# Altium PCB WiCL.PcbDoc (part 2 of 2)
Units mm, origin at the board's own origin, x right, y up, seen from the top; angles counter-clockwise.
Board outline 88.6 x 53.6 mm, 4 copper layers (L1_Top, L2_GND, L3_PWR_GND, L4_Bot), stack 1.104 mm thick; 143 components, 94 nets, 506 pads, 447 vias.
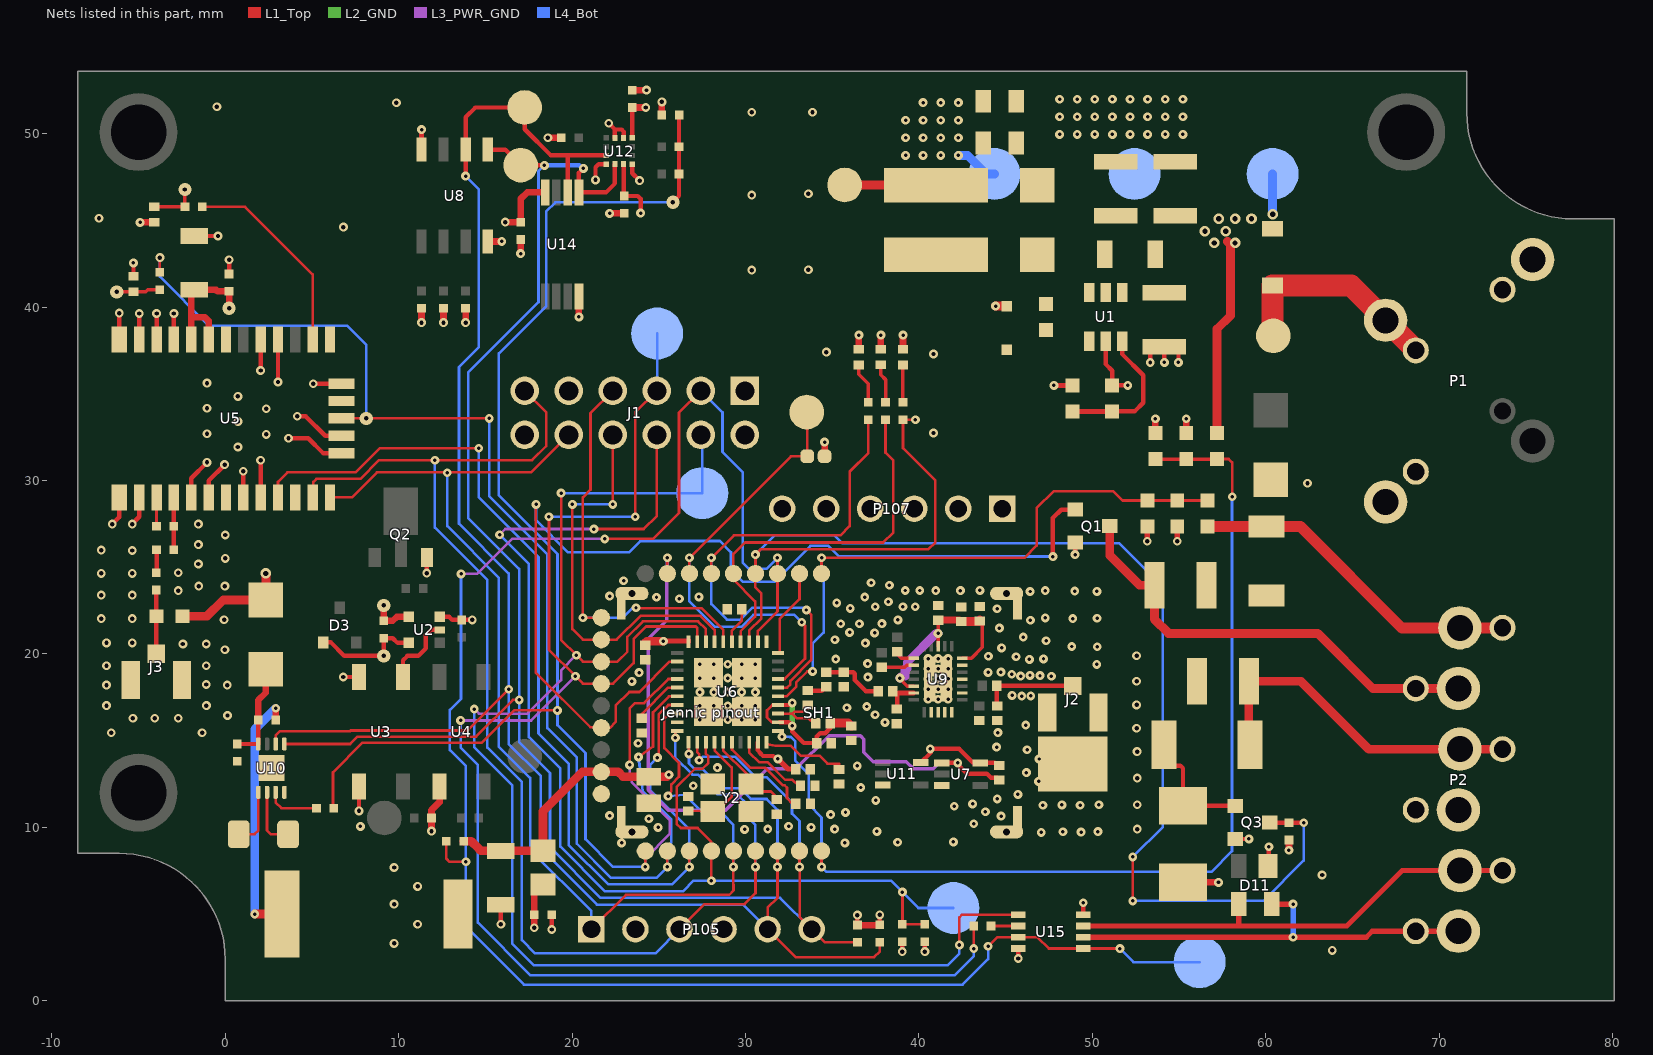
[diagram p4: the nets of this part, all layers, seen from the top]

## Via types
v1: diameter 0.51, hole 0.2, L1_Top to L4_Bot, 180 vias
v2: diameter 0.508, hole 0.203, L1_Top to L4_Bot, 127 vias
v3: diameter 0.508, hole 0.254, L1_Top to L4_Bot, 65 vias
v4: diameter 0.508/0.508/0.508/0.508 (per signal layer), hole 0.254, L1_Top to L4_Bot, tented both sides, 54 vias
v5: diameter 0.508/0.508/0.508/0.762 (per signal layer), hole 0.254, L1_Top to L4_Bot, tented top, 12 vias
v6: diameter 0.61, hole 0.305, L1_Top to L4_Bot, 9 vias

## Nets (pads, with @x,y where several pads share a name; then routed paths per layer and width w, separated by ;. In a path a pad name is that pad's centre, name@x,y a point inside that pad or via, vN(x,y) a via of type N, cw(c..) or ccw(c..) an arc to the next point about the centre after c; other vN are vias at no path point) (continued)
GND: "Jennic pinout.18" C1.2 C2.2 C4.2 C5.2 C6.2 C7.2 C8.2 C9.2 C10.1 C11.2 C12.2 C13.2 C14.1 C15.1 C16.2 C17.1 C18.1 C19.2 C20.2 C21.2 C22.1 C23.1 C24.2 C26.2 C27.2 C28.2 C29.2 C31.1 C32.1 C33.2 C34.2 C35.2 C36.1 C37.2 C38.2 C40.1 D2.2 D4.1 D5.1 D6.1 D7.1 D8.2 D10.1 D11.1 D13.2 J1.2 J1.9 J1.12 J2.2 J3.2 J4.2 L5.2 P1.4 P2.4 P105.2 P105.4 P107.3 P107.4 pad.1 pad.@66.924,28.775 pad.@71.115,11.011 pad.SHIELD Q1.2 Q2.1 Q3.2 R3.1 R4.1 R11.1 R22.1 R24.1 SH1.1 T2.2 TP10.1 U1.2 U2.3 U3.2 U3.3 U5.4 U5.5 U5.10 U5.11 U5.12 U5.13 U5.14 U5.15 U5.18 U5.19 U5.21 U5.22 U5.27 U5.28 U5.31 U6.21 U6.39 U6.41 U7.3 U8.4 U9.9 U9.10 U9.11 U9.12 U9.14 U9.16 U9.18 U9.25 U10.4 U10.9 U11.3 U12.1 U12.4 U12.8 U12.9 U14.4 U15.4 Y2.2 Y2.4 | length 68.8
  L1_Top w0.254: v4(-6.511,27.491) -6.109,27.893 U5.14@-6.109,29.037 ; U5.13@-6.109,38.137 v4(-6.109,39.662) ; v4(-5.368,27.491) -5.368,27.501 -4.959,27.91 U5.15@-4.959,29.037 ; D4.1@-5.292,41.784 v2(-5.292,42.553) ; U5.12@-4.959,38.137 v4(-4.959,39.634) ; U5.11@-3.959,38.137 v4(-3.959,39.634) ; U5.10@-2.959,38.137 v4(-2.959,39.634) ; U5.18@-1.959,29.037 -1.959,30.138 v4(-1.05,31.047) ; C5.2@-1.786,44.103 v4(-0.415,44.103) ; U5.19@-0.959,29.037 -0.959,29.995 v4(-0.034,30.92) ; C6.2@0.22,41.91 v4(0.22,42.731) ; U5.21@1.041,29.037 v4(1.041,30.539) ; U5.22@2.041,29.037 v4(2.041,31.174) ; v4(2.041,36.348) U5.5@2.041,38.137 ; v4(3.041,35.687) U5.4@3.041,38.137 ; v4(3.649,32.444) 4.787,32.444 5.644,31.587 U5.27@6.716,31.587 ; v4(4.157,33.714) 4.633,33.714 5.76,32.587 U5.28@6.716,32.587 ; v4(5.078,35.587) U5.31@6.716,35.587 ; v4(6.807,18.67) U3.2@7.714,18.67 ; v4(7.714,10.948) U3.3@7.714,12.37 ; v4(11.626,24.667) Q2.1@11.626,25.563 ; U2.3@12.373,22.138 12.925,22.138 13.099,21.964 R11.1@13.632,21.964 v4(14.242,21.964) ; v4(15.895,4.412) C8.2@15.895,5.539 ; v4(18.825,4.11) C7.2@18.825,4.969 ; v4(21.353,47.341) 21.353,48.065 21.53,48.243 U12.1@21.975,48.243 ; v4(22.115,50.605) 22.475,50.246 ; U12.9@22.475,49.755 22.475,50.246 ; U12.8@22.975,49.755 22.975,50.127 22.856,50.246 22.475,50.246 ; U12.4@23.475,48.243 23.475,47.722 23.893,47.303 v4(23.897,47.303) ; v4(39.05,2.837) C9.2@39.05,3.406 ; v2(49.012,25.733) Q1.2@49.012,26.425 ; U15.4@49.484,4.963 v2(49.484,5.655) ; U1.2@50.77,38.037 50.77,36.723 51.151,36.342 R3.1@51.151,35.488 v2(52.053,35.488) ; v2(53.348,36.811) C21.2@53.348,37.722 ; v2(54.161,36.813) C21.2@54.161,37.725 ; v2(54.974,36.815) C21.2@54.974,37.727 ; Q3.2@58.238,9.332 v2(59.035,9.332) ; D11.1@60.15,7.775 60.187,7.812 v2(60.187,8.885)
  L1_Top w0.305: v4(53.179,26.503) C12.2@53.179,27.353 ; v4(54.906,26.503) R24.1@54.906,27.353
  L1_Top w0.381: v2(-4.911,44.89) D5.1@-4.091,44.89 ; U8.4@15.13,43.79 v2(15.95,43.79) ; v2(17.035,43.088) C37.2@17.035,43.908 ; v2(20.398,39.436) U14.4@20.398,40.62 ; v2(22.169,45.408) 22.172,45.411 C34.2@23.004,45.411 ; C35.2@23.475,52.518 v2(24.295,52.518) ; J4.2@34.566,31.403 v2(34.566,32.223) ; D7.1@36.541,37.571 v2(36.541,38.391) ; D6.1@37.812,37.573 v2(37.812,38.393) ; D10.1@39.088,37.57 v2(39.088,38.39) ; C11.2@53.643,32.742 v2(53.643,33.562) ; D13.2@55.237,6.827 57.28,6.827 v2(57.283,6.824) ; R22.1@55.421,32.742 v2(55.421,33.562)
  other v1: 22.86,9.109 35.737,9.109 38.778,9.142 41.995,9.159 47.064,9.712 48.312,9.745 49.36,9.729 37.58,9.771 50.332,9.754 29.956,9.879 31.284,9.9 35.138,9.9 24.962,9.997 33.785,9.997 32.486,10.064 43.168,10.206 24.429,10.495 44.744,10.65 22.165,10.675 34.916,10.734 35.77,10.86 43.839,10.902 42.046,11.22 47.156,11.279 48.254,11.295 49.301,11.279 50.382,11.304 43.101,11.354 37.518,11.554 44.526,11.639 45.715,11.899 36.654,12.301 26.99,12.401 46.905,12.653 46.201,13.155 28.381,13.448 36.445,13.545 46.938,13.943 46.243,14.479 44.484,14.63 23.811,14.848 44.559,15.468 46.168,15.895 38.049,16.054 27.376,16.205 28.176,16.205 28.976,16.205 29.776,16.205 30.576,16.205 37.475,16.498 35.854,16.9 36.999,16.971 27.376,17.005 28.176,17.005 28.976,17.005 29.776,17.005 30.576,17.005 40.539,17.386 41.112,17.386 41.685,17.386 45.933,17.57 46.453,17.579 45.38,17.612 27.376,17.805 28.176,17.805 28.976,17.805 29.776,17.805 30.576,17.805 40.539,17.973 41.112,17.973 41.685,17.973 23.455,18.417 40.539,18.559 41.112,18.559 41.685,18.559 27.376,18.605 28.176,18.605 28.976,18.605 29.776,18.605 30.576,18.605 37.061,18.668 47.642,18.718 45.866,18.727 46.411,18.76 46.989,18.752 45.355,18.836 23.865,18.928 43.998,18.94 44.735,18.957 40.539,19.146 41.112,19.146 41.685,19.146 50.257,19.397 27.376,19.405 28.176,19.405 28.976,19.405 29.776,19.405 30.576,19.405 37.044,19.447 35.209,19.707 46.377,19.69 40.539,19.733 41.112,19.733 41.685,19.733 47.19,19.715 45.606,19.841 44.015,19.866 44.777,20.352 50.29,20.415 48.816,20.432 36.918,20.628 47.341,20.763 35.159,20.821 46.025,20.972 37.446,21.215 36.005,21.24 44.643,21.492 35.494,21.743 36.575,21.743 37.873,21.751 46.436,21.944 38.795,21.969 48.875,22.04 50.282,22.065 47.29,22.078 44.518,22.605 36.047,22.631 37.488,22.723 39.08,22.723 39.792,22.723 35.268,22.949 38.242,23.016 26.194,23.184 24.871,23.268 27.317,23.289 36.885,23.284 22.164,23.335 46.419,23.603 50.274,23.607 48.992,23.624 39.214,23.661 40.052,23.661 40.974,23.653 42.398,23.653 43.521,23.669 47.29,23.653 38.301,23.963 37.245,24.105 22.977,24.223
  other v2: 7.794,10.059 48.116,49.962 49.132,49.962 50.148,49.962 51.164,49.962 52.18,49.962 53.196,49.962 54.212,49.962 55.228,49.962 48.116,50.978 49.132,50.978 50.148,50.978 51.164,50.978 52.18,50.978 53.196,50.978 54.212,50.978 55.228,50.978 48.116,51.994 49.132,51.994 50.148,51.994 51.164,51.994 52.18,51.994 53.196,51.994 54.212,51.994 55.228,51.994
  other v3: 63.839,2.906 9.737,3.311 11.092,4.412 9.737,5.577 11.092,6.595 63.255,7.251 9.737,7.689 52.597,9.9 52.597,11.311 52.597,12.842 52.586,14.371 -6.57,15.46 -1.337,15.46 52.562,15.718 -5.325,16.298 -4.061,16.298 -2.709,16.298 0.13,16.45 -6.849,17.022 -1.089,17.022 52.562,17.065 -6.849,18.204 0.111,18.204 -1.101,18.24 52.562,18.433 -6.849,19.32 -1.101,19.32 52.562,19.899 -0.023,20.244 -2.442,20.575 -1.101,20.575 -6.849,20.638 -5.368,20.638 -0.067,21.978 -7.154,22.038 -5.368,22.038 -7.154,23.395 -5.368,23.395 -2.709,23.654 -1.528,23.918 -0.023,23.918 -7.154,24.646 -5.368,24.646 -2.709,24.689 -1.547,25.188 -0.004,25.51 -5.368,25.967 -7.154,25.994 -1.547,26.305 0.006,26.864 -1.547,27.491 62.417,29.852 40.844,32.742 40.844,37.3 34.671,37.407 30.362,42.141 33.631,42.163 6.816,44.619 -7.281,45.127 30.362,46.465 33.631,46.541 30.362,51.24 33.867,51.24 -0.48,51.558 9.874,51.786
  other v4: 0.728,31.936 2.367,32.666 -1.05,32.698 0.728,33.408 2.367,34.138 -1.05,34.17 0.728,34.857 -1.05,35.619
GPS_3DFIX: R15.2 U5.2 | length 11.7
  L1_Top w0.152: R15.2@-1.325,45.79 1.141,45.79 5.041,41.89 U5.2@5.041,38.137
GPS_DR_INT: U5.1
GPS_EINT1: U5.7
GPS_GPIO1: U5.20
GPS_GPIO2: U5.24
GPS_RESETN: "Jennic pinout.21" U5.23 U6.37 | length 58.8
  L1_Top w0.15: U5.23@3.041,29.037 3.044,29.04 3.044,29.924 3.59,30.471 7.525,30.471 8.922,31.868 v2(14.615,31.868) ; v1(24.925,14.027) 24.998,14.112 24.998,16.503 25.553,17.059 U6.37@26.07,17.059 ; v2(26.767,7.724) 26.767,8.634
  L4_Bot w0.15: v2(14.615,31.868) 14.615,29.048 18.068,25.594 18.068,15.413 19.81,13.672 19.81,8.994 22.092,6.711 25.754,6.711 26.767,7.724 26.767,9.88 24.496,12.151 24.496,13.609 24.939,14.052 v1(24.925,14.027)
GPS_TIMEMARK: "Jennic pinout.20" R14.2 U5.29 U6.36 | length 74
  L1_Top w0.15: v5(8.137,33.587) v2(15.224,33.587) ; v1(23.832,14.059) 24.668,14.66 24.668,16.635 25.592,17.559 U6.36@26.07,17.559 ; v2(25.498,7.723) 25.498,8.634
  L1_Top w0.152: R14.2@-3.768,42.012 v4(-3.768,42.858) ; U5.29@6.716,33.587 v5(8.137,33.587)
  L4_Bot w0.15: v2(15.224,33.587) 15.224,29.098 18.578,25.743 18.578,15.723 20.278,14.023 20.278,9.056 22.245,7.089 24.864,7.089 v2(25.498,7.723) 25.498,8.895 25.723,9.12 25.723,10.443 24.077,12.089 v1(23.832,14.059)
  L4_Bot w0.152: v4(-3.768,42.858) -3.768,41.766 -0.923,38.921 7.044,38.921 8.137,37.829 v5(8.137,33.587)
GPS_WAKEUP: U5.30
I2C_JENIC_SCLK: "Jennic pinout.25" P105.5 R38.1 TP3.1 U6.1 U8.6 U10.6 U12.12 U14.6 | length 110.6
  L1_Top w0.15: U10.6@2.909,14.811 2.909,15.31 3.152,15.553 7.205,15.553 7.241,15.588 13.973,15.588 v2(16.349,17.964) ; U6.1@26.72,14.909 26.72,14.263 v1(26.743,14.24) ; 31.848,8.634 v2(31.848,7.723) 31.852,7.719 31.852,5.94 31.278,5.367 P105.5@31.278,4.129 32.894,2.513 37.426,2.513 37.75,2.837 R38.1@37.75,3.376
  L1_Top w0.254: v2(13.86,47.557) U8.6@13.86,49.09 13.86,50.951 14.426,51.518 TP3.1@17.27,51.518 17.27,50.269 18.784,48.755 19.748,48.755 ; U14.6@19.748,46.62 19.748,48.755 ; U12.12@21.975,48.755 19.748,48.755
  L4_Bot w0.15: v2(13.86,47.557) 14.614,46.803 14.614,37.685 13.479,36.55 13.479,27.517 16.349,24.646 v2(16.349,17.964) 16.349,14.806 18.198,12.956 18.198,8.776 21.436,5.539 29.868,5.539 P105.5@31.278,4.129 ; v1(26.743,14.24) 26.743,13.683 27.062,13.365 27.527,13.365 28.636,12.255 29.694,12.255 30.31,11.639 31.222,11.639 31.848,11.013 v2(31.848,7.723)
I2C_JENIC_SDA: "Jennic pinout.26" P105.6 R37.1 TP4.1 U6.2 U8.5 U10.5 U12.2 U14.5 | length 104.8
  L1_Top w0.15: U10.5@3.409,14.811 7.203,14.811 7.626,15.234 14.471,15.234 16.588,17.351 v2(16.951,17.351) ; U6.2@27.22,14.909 27.22,14.341 27.332,14.229 v1(27.332,13.87) ; 33.118,8.634 v2(33.118,7.723) 33.122,7.719 33.122,4.826 P105.6@33.818,4.129 34.58,3.367 R37.1@36.459,3.367
  L1_Top w0.254: U8.5@15.13,49.09 16.146,49.09 17.057,48.18 v2(18.407,48.18) ; v2(20.658,48.005) 20.398,47.745 U14.5@20.398,46.62 21.957,46.62 22.475,47.137 U12.2@22.475,48.255
  L4_Bot w0.15: v2(18.407,48.18) 18.068,47.841 18.068,40.291 14.013,36.236 14.013,27.837 16.951,24.9 v2(16.951,17.351) 16.951,14.913 18.729,13.135 18.729,8.856 21.644,5.94 32.007,5.94 P105.6@33.818,4.129 ; v1(27.332,13.87) 27.53,14.068 29.42,14.068 30.592,12.897 31.212,12.897 32.684,11.424 32.684,10.794 33.118,10.36 v2(33.118,7.723)
  L4_Bot w0.254: v2(18.407,48.18) 20.415,48.18 v2@20.589,48.005
IBIAS: R4.2 U6.10 | length 5.1
  L1_Top w0.15: U6.10@31.22,14.909 31.22,14.809 31.712,14.717 32.6,14.717 33.18,14.137 34.276,14.137 34.732,13.681 35.382,13.681 35.397,13.666 R4.2@35.397,13.335
IRQ_I2C_DEV_L: "Jennic pinout.19" R28.2 R39.1 R40.2 R41.2 U6.34 | length 87.8
  L1_Top w0.15: R28.2@6.215,11.105 6.215,13.17 7.928,14.883 14.794,14.883 16.66,16.749 v2(19.161,16.749) ; v1(23.319,13.604) 23.319,16.853 23.634,17.169 24.161,17.169 25.551,18.559 U6.34@26.07,18.559 ; v2(24.228,7.723) 24.228,8.634
  L1_Top w0.254: v5(25.818,46.048) 25.81,46.056 26.171,46.416 R40.2@26.171,47.684 R41.2@26.171,49.255 26.171,51.074 R39.1@26.18,51.083
  L3_PWR_GND w0.15: v1(23.319,13.604) 23.319,13.052 23.442,12.929 23.442,12.616 25.63,10.428 25.63,9.618 24.228,8.216 v2(24.228,7.723)
  L4_Bot w0.15: v2(24.228,7.723) 22.376,7.723 20.777,9.322 20.777,14.284 19.161,15.9 v2(19.161,16.749) 19.161,25.768 15.782,29.146 15.782,37.329 18.507,40.053 18.507,45.506 19.048,46.048 v5(25.818,46.048)
ISRC_IOUT: U2.2 U3.1 | length 4.3
  L1_Top w0.254: U3.1@10.254,18.67 10.254,19.636 10.508,19.889 11.135,19.889 11.575,20.329 11.575,21.091 11.872,21.388 U2.2@12.373,21.388
ISRC_REXT: R7.2 U2.4 | length 2.4
  L1_Top w0.381: v5(9.137,22.802) R7.2@9.137,21.913 9.662,21.913 9.887,22.138 U2.4@10.573,22.138
ISRC_VS: D3.1 R7.1 U2.5 | length 6.4
  L1_Top w0.254: D3.1@5.647,20.667 6.093,20.667 6.871,19.889 v5(9.137,19.889) R7.1@9.137,20.913 9.662,20.913 9.937,20.638 U2.5@10.573,20.638
JENIC_ADC1: "Jennic pinout.1" C12.1 R23.2 R24.2 U6.15 | length 35.9
  L1_Top w0.15: U6.15@31.87,17.559 32.382,17.559 32.926,18.104 32.926,18.356 33.565,18.995 v1(33.872,18.995) ; 34.388,24.634 v2(34.388,25.545) 46.088,25.545 46.799,26.255 46.799,28.408 47.786,29.395 51.204,29.395 51.746,28.853 C12.1@53.179,28.853 R23.2@56.659,28.853
  L4_Bot w0.15: v1(33.872,18.995) 33.872,20.6 34.505,21.233 34.505,24.516 34.388,24.634 v2(34.388,25.545)
JENIC_ADC4: "Jennic pinout.27" C11.1 R20.1 R22.2 U6.11 | length 61.3
  L1_Top w0.15: U6.11@31.87,15.559 31.97,15.559 32.109,15.42 v1(32.109,15.227) ; v2(34.388,7.723) 34.388,8.634 ; R20.1@57.199,31.242 57.871,31.242 58.073,31.04 v2(58.073,29.067)
  L1_Top w0.203: C11.1@53.643,31.242 R22.2@55.421,31.242 R20.1@57.199,31.242
  L4_Bot w0.15: v1(32.109,15.227) 32.509,15.227 32.51,15.228 32.52,15.228 32.533,15.215 32.55,15.215 32.552,15.213 32.619,15.213 32.878,14.955 32.878,13.832 33.654,13.056 33.654,11.306 34.388,10.572 v2(34.388,7.723) 34.671,7.44 56.865,7.44 58.059,8.634 58.059,29.053 v2(58.073,29.067)
JENIC_BLUE_LED: "Jennic pinout.5" R18.2 U6.24 | length 22.3
  L1_Top w0.15: 29.308,24.634 29.308,24.284 30.56,23.031 30.56,22.151 29.72,21.311 U6.24@29.72,20.709
  L1_Top w0.152: 29.308,24.634 29.308,25.765 29.975,26.432 37.944,26.432 38.531,27.02 38.531,31.162 38.08,31.613 R18.2@38.08,33.51
JENIC_BLUE_LED_R: D6.2 R18.1 | length 2.3
  L1_Top w0.203: D6.2@37.812,36.673 37.812,36.094 38.08,35.826 R18.1@38.08,34.51
JENIC_GREEN_LED_R: D10.2 R1.1 | length 2.2
  L1_Top w0.203: R1.1@39.086,34.509 39.086,36.667 D10.2@39.088,36.67
JENIC_JMPR: "Jennic pinout.7" J4.1 TP5.1 U6.17 | length 26.9
  L1_Top w0.15: 26.768,24.634 v2(26.768,25.545) 32.626,31.403 J4.1@33.566,31.403 TP5.1@33.566,33.92 ; U6.17@31.87,18.559 32.267,18.559 33.437,19.729 33.437,21.641 v1(33.249,21.828)
  L4_Bot w0.15: v2(26.768,25.545) 26.768,23.038 28.241,21.564 29.766,21.564 30.456,22.254 32.824,22.254 v1(33.249,21.828)
JENIC_PROG: "Jennic pinout.3" J1.3 R19.1 TP11.1 U6.22 U15.1 U15.7 | length 109.3
  L1_Top w0.15: U6.22@30.72,20.709 30.72,21.326 31.848,22.454 31.848,24.634 v2(31.848,25.545)
  L1_Top w0.152: R19.1@12.751,9.202 12.751,8.191 12.925,8.017 v2(13.877,8.017) ; v2(21.882,26.636) 24.679,26.636 26.171,28.128 26.171,33.92 J1.3@27.43,35.179 ; v2(43.997,3.141) 44.519,3.663 U15.7@45.734,3.663 46.848,3.663 47.498,3.013 U15.1@49.484,3.013 v2(51.596,3.013)
  L3_PWR_GND w0.152: v2(13.599,24.618) 14.527,24.618 16.544,26.636 v2(21.882,26.636)
  L4_Bot w0.152: v2(13.599,24.618) 13.599,17.417 12.958,16.776 12.958,14.465 13.877,13.546 v2(13.877,8.017) 13.877,4.284 17.23,0.931 42.529,0.931 43.997,2.399 v2(43.997,3.141) ; J1.3@27.43,35.179 28.677,33.931 28.677,31.648 29.854,30.471 29.854,25.26 30.206,24.908 31.212,24.908 v2(31.848,25.545) ; v2(51.596,3.013) 52.379,2.229 TP11.1@56.194,2.229
JENIC_RED_LED: "Jennic pinout.6" R17.2 U6.16 | length 30.8
  L1_Top w0.15: 28.038,24.634 v2(28.038,25.545) ; U6.16@31.87,18.059 32.403,18.059 32.589,18.245 32.589,18.449 33.787,19.647 33.787,22.27 v1(33.52,22.537)
  L1_Top w0.152: v2(28.038,25.545) 29.332,26.839 35.473,26.839 36.012,27.378 36.012,30.51 37.091,31.589 R17.2@37.091,33.509
  L4_Bot w0.15: v2(28.038,25.545) 28.038,22.881 28.937,21.981 29.723,21.981 30.415,22.673 33.384,22.673 v1(33.52,22.537)
JENIC_RED_LED_R: D7.2 R17.1 | length 2.4
  L1_Top w0.203: D7.2@36.541,36.671 36.541,36.128 37.091,35.578 R17.1@37.091,34.509
JENIC_RST: "Jennic pinout.22" C9.1 J1.6 R16.1 TP14.1 U6.3 | length 71.9
  L1_Top w0.15: v2(21.264,27.205) 24.131,27.205 24.89,27.965 J1.6@24.89,32.639 ; U6.3@27.72,14.909 27.72,14.242 27.856,14.106 27.856,13.716 27.522,13.382 27.086,13.382 26.033,12.329 26.033,10.208 26.278,9.963 27.241,9.963 28.038,9.166 28.038,8.634 v2(28.038,6.925) ; C9.1@39.05,4.406 C9.1@39.057,4.413 ; v2(39.057,6.269) C9.1@39.057,4.413 ; R16.1@40.347,4.413 C9.1@39.057,4.413
  L3_PWR_GND w0.15: v2(15.82,26.877) 16.148,27.205 v2(21.264,27.205)
  L4_Bot w0.15: v2(15.82,26.877) 17.51,25.188 17.51,15.215 19.325,13.399 19.325,8.883 21.882,6.327 26.417,6.327 27.015,6.925 v2(28.038,6.925) 38.401,6.925 v2(39.057,6.269) 39.976,5.35 TP14.1@41.995,5.35
JTAG_TCK: "Jennic pinout.10" J1.7 U6.26 | length 24.3
  L1_Top w0.15: 21.688,22.094 v2(20.629,22.094) 20.629,29.03 20.625,29.033 21.066,29.474 21.066,33.894 J1.7@22.35,35.179 ; v1(23.689,22.664) 23.71,22.643 27.476,22.643 28.72,21.4 U6.26@28.72,20.709
  L4_Bot w0.15: v2@20.777,22.094 22.934,22.094 23.603,22.763 v1(23.689,22.664)
JTAG_TDI: "Jennic pinout.13" J1.5 R21.1 TP13.1 U6.29 | length 88
  L1_Top w0.15: v2(18.669,27.91) 18.669,20.244 v2(20.194,18.718) 20.629,18.284 21.688,18.284 22.36,18.284 23.553,19.476 23.553,20.869 24.267,21.583 27.136,21.583 27.22,21.499 U6.29@27.22,20.709 ; v2(23.644,27.91) 23.644,33.933 J1.5@24.89,35.179 ; v2(43.168,3.013) 43.168,4.378 R21.1@43.179,4.389
  L3_PWR_GND w0.15: v2(13.573,16.166) 17.642,16.166 v2(20.194,18.718)
  L4_Bot w0.15: v2(13.573,16.166) 13.573,14.594 14.563,13.603 14.563,4.505 17.604,1.464 42.061,1.464 43.168,2.571 v2(43.168,3.013) ; v2(18.669,27.91) v2(23.644,27.91) ; J1.5@24.89,35.179 24.908,35.197 TP13.1@24.908,38.483
JTAG_TDO: "Jennic pinout.12" J1.4 TP12.1 U6.28 U15.5 | length 85.5
  L1_Top w0.15: v2(19.369,29.277) 19.369,20.814 v2(20.253,19.93) 20.629,19.554 22.61,19.554 23.184,20.128 23.184,20.978 24.091,21.885 27.264,21.885 27.72,21.428 U6.28@27.72,20.709 ; v2(42.339,3.217) 42.339,4.803 42.499,4.963 U15.5@45.734,4.963
  L3_PWR_GND w0.15: v2(14.36,16.82) 14.365,16.82 14.627,16.559 17.433,16.559 19.369,18.494 19.369,19.058 20.241,19.93 v2(20.253,19.93)
  L4_Bot w0.15: v2(14.36,16.82) 14.36,14.625 16.544,12.441 16.544,3.311 17.807,2.048 41.653,2.048 42.339,2.734 v2(42.339,3.217) ; v2(19.369,29.277) TP12.1@27.513,29.277 27.513,32.556 J1.4@27.43,32.639
JTAG_TMS: "Jennic pinout.11" J1.8 U6.27 | length 23.6
  L1_Top w0.15: v2(20.018,28.626) 20.018,21.434 20.629,20.824 21.688,20.824 22.574,20.824 23.953,22.203 27.413,22.203 28.22,21.396 U6.27@28.22,20.709 ; v2(22.35,28.626) J1.8@22.35,32.639
  L4_Bot w0.15: v2(20.018,28.626) v2(22.35,28.626)
LED_GPS_3DFIX: D5.2 R15.1 | length 2.8
  L1_Top w0.203: D5.2@-4.091,45.79 R15.1@-2.325,45.79 v5(-2.325,46.79)
LED_GPS_TIMEMARK: D4.2 R14.1 | length 2.5
  L1_Top w0.203: v5(-6.256,40.884) D4.2@-5.292,40.884 -4.598,40.884 -4.47,41.012 R14.1@-3.768,41.012
LNA_BYPASS: "Jennic pinout.8" R5.1 U7.1 | length 39.9
  L1_Top w0.15: 25.498,24.634 v2(25.498,25.545)
  L1_Top w0.25: U7.1@41.412,13.722 v1(42.242,13.722) 42.242,13.629 42.774,13.097 43.923,13.097 44.162,12.858 44.504,12.858 R5.1@44.634,12.728
  L3_PWR_GND w0.2: v2(25.498,25.545) 25.498,24.634 25.465,24.602 25.465,21.952 24.385,20.872 24.385,12.157 25.541,11.001 28.876,11.001 31.256,13.381 32.914,13.381 34.823,15.291 36.635,15.291 36.835,15.091 36.835,14.336 37.375,13.795 39.268,13.795 39.691,13.372 40.823,13.372 41.172,13.722 v1(42.242,13.722)
NetC3_1: C3.1 D9.1 U1.1
NetC3_2: C3.2 D2.1 L1.1 U1.6
NetC19_1: C19.1 R27.2 | length 14.6
  L1_Top w0.381: R27.2@2.909,16.192 v2(2.909,16.87)
  L1_Top w0.508: v2(1.697,5.004) C19.1@3.274,5.004
  L4_Bot w0.508: v2(1.697,5.004) 1.697,15.659 v2(2.909,16.87)
NetC21_1: C21.1 R29.1 U1.4
NetC30_2: C30.2 L5.1 U9.6 | length 2.3
  L1_Top w0.2: C30.2@38.494,17.855 C30.2@38.598,17.751
  L1_Top w0.262: C30.2@38.494,17.855 38.578,17.855 38.763,17.669 ; L5.1@38.737,16.82 38.763,16.846 38.763,17.669 ; U9.6@39.708,17.751 38.844,17.751 38.763,17.669
NetC33_1: C33.1 U6.4 Y2.1 | length 6.4
  L1_Top w0.15: C33.1@26.7,10.948 26.714,10.961 Y2.1@28.118,10.911 28.404,10.961 29.206,11.763 29.206,13.456 28.22,14.442 U6.4@28.22,14.909
NetC38_1: C38.1 U6.5 Y2.3 | length 5
  L1_Top w0.15: U6.5@28.72,14.909 28.72,14.445 30.066,13.099 30.066,12.814 Y2.3@30.318,12.511 30.808,12.072 31.473,12.072 31.813,11.732 C38.1@31.813,11.601
NetC39_1: C39.1 R33.2 | length 1.3
  L1_Top w0.262: C39.1@-3.971,24.689 -3.963,24.689 R33.2@-3.963,26.01
NetC39_2: C39.2 J3.1 L7.2 | length 3.7
  L1_Top w0.262: J3.1@-3.971,20.016 L7.2@-3.971,22.174 C39.2@-3.971,23.689
NetD13_1: D13.1 Q3.1 R32.1 | length 6.9
  L1_Top w0.254: R32.1@54.14,14.772 54.14,14.162 54.738,13.564 55.088,13.564 55.237,13.415 D13.1@55.237,11.247 Q3.1@57.979,11.247
NetR2_1: R2.1 R3.2 U1.3 | length 8.3
  L1_Top w0.254: R3.2@51.151,33.988 52.445,33.988 52.942,34.486 52.942,36.078 51.72,37.3 U1.3@51.72,38.037
  L1_Top w0.305: R2.1@48.866,33.988 R3.2@51.151,33.988
NetR6_2: R6.2 U9.1 | length 1.2
  L1_Top w0.2: R6.2@38.761,20.134 38.776,20.119 38.776,19.951 38.976,19.751 U9.1@39.708,19.751
NetR12_2: R12.2 U9.2 | length 1.9
  L1_Top w0.2: R12.2@37.873,19.229 39.188,19.229 39.309,19.351 U9.2@39.708,19.351
NetR21_2: R21.2 U15.6 | length 1.6
  L1_Top w0.15: R21.2@44.163,4.313 U15.6@45.734,4.313
RF_ANT: R31.1 U5.16 | length 1.7
  L1_Top w0.178: R31.1@-3.963,27.364 -3.963,29.033 U5.16@-3.959,29.037
RF_IN: R31.2 R33.1 U5.17 | length 3
  L1_Top w0.178: R31.2@-2.963,27.364 R31.2@-2.959,27.368
  L1_Top w0.262: R33.1@-2.963,26.01 R31.2@-2.963,27.364 ; R31.2@-2.959,27.368 U5.17@-2.959,29.037
RF_IO: C25.2 L3.2 U6.13 | length 3.6
  L1_Top w0.15: U6.13@31.87,16.559 32.695,16.559 ; C25.2@33.604,17.052 33.601,17.049 33.601,16.9 33.372,16.671 32.82,16.671 32.708,16.559 32.695,16.559 ; L3.2@34.05,16.015 33.92,16.015 33.649,16.286 32.968,16.286 32.695,16.559
RF_PORT: C26.1 C30.1 L4.2 | length 3.7
  L1_Top w0.262: L4.2@34.671,18.951 C26.1@35.664,18.951 36.225,18.951 36.306,18.87 36.306,18.5 36.95,17.855 C30.1@37.656,17.855
RF_PORT_L: C25.1 L4.1 | length 1.2
  L1_Top w0.262: C25.1@33.604,17.89 34.414,17.89 L4.1@34.671,18.113
RTC_INT: R28.1 U10.3 | length 3
  L1_Top w0.152: U10.3@2.909,12.021 2.909,11.439 3.243,11.105 R28.1@5.215,11.105
RTC_OSC0: U10.2 Y1.1 | length 3.5
  L1_Top w0.152: U10.2@2.409,12.021 2.409,9.821 2.624,9.606 Y1.1@3.626,9.606
RTC_OSC1: U10.1 Y1.2 | length 3.4
  L1_Top w0.152: Y1.2@0.776,9.606 1.693,9.606 1.909,9.821 U10.1@1.909,12.021
RTC_VDD: C20.1 D12.1 R27.1 U10.8 | length 5.7
  L1_Top w0.152: C20.1@0.687,14.805 C20.1@0.693,14.811
  L1_Top w0.254: C20.1@0.693,14.811 U10.8@1.909,14.811 R27.1@1.909,16.192
  L1_Top w0.381: R27.1@1.909,16.192 1.909,17.339 2.335,17.766 2.335,19.106 D12.1@2.343,19.114
SPICLK: "Jennic pinout.2" U6.20 | length 5.2
  L1_Top w0.15: U6.20@31.87,20.059 31.97,20.059 31.97,22.018 33.118,23.166 33.118,24.634
TB_RXD0_BUFF: D11.4 P2.6 pad.@71.115,4.011 U15.2 | length 24.9
  L1_Top w0.305: U15.2@49.484,3.663 v2(61.587,3.663) 65.803,3.663 66.151,4.011 pad.@71.115,4.011 ; D11.4@60.35,5.575 v2(61.587,5.575)
  L4_Bot w0.305: v2(61.587,3.663) v2(61.587,5.575)
TB_TXD0_BUFF: D11.3 P2.5 pad.@71.205,7.511 U15.3 | length 26.8
  L1_Top w0.305: U15.3@49.484,4.313 58.45,4.313 ; D11.3@58.45,5.575 58.45,4.313 ; P2.5@73.66,7.511 pad.@71.205,7.511 67.879,7.511 64.681,4.313 58.45,4.313
UART_JENIC_RXD1: "Jennic pinout.24" J1.11 P105.3 U5.25 U6.40 | length 77
  L1_Top w0.15: U5.25@5.041,29.037 5.079,29.075 5.079,29.924 5.254,30.099 7.787,30.099 8.862,31.174 v2(12.093,31.174) 17.701,31.174 18.507,31.98 18.507,33.942 J1.11@17.27,35.179 ; v1(25.964,15.17) 25.964,15.553 25.97,15.559 U6.40@26.07,15.559 ; P105.3@26.198,4.129 27.646,5.577 29.955,5.577 30.582,6.203 30.582,7.719 v2(30.578,7.723) 30.578,8.634
  L4_Bot w0.15: v2(12.093,31.174) 12.093,27.286 15.115,24.264 15.115,14.601 17.103,12.613 17.103,3.496 17.865,2.734 24.803,2.734 P105.3@26.198,4.129 ; v1(25.964,15.17) 25.964,14.01 26.938,13.036 27.261,13.036 28.386,11.91 29.507,11.91 30.107,11.311 30.107,10.599 30.578,10.127 v2(30.578,7.723)
UART_JENIC_TXD1: "Jennic pinout.23" J1.10 P105.1 U5.26 U6.38 | length 69.3
  L1_Top w0.15: U5.26@6.041,29.037 7.313,29.037 8.747,30.471 17.642,30.471 J1.10@19.81,32.639 ; P105.1@21.118,4.129 23.102,6.112 29.067,6.112 29.312,6.358 29.312,6.708 29.308,6.711 v2(29.308,7.723) 29.308,8.634 ; v1(25.541,11.806) 25.723,12.083 25.723,12.48 26.171,12.928 26.171,13.726 25.322,14.575 25.322,16.282 25.599,16.559 U6.38@26.07,16.559
  L4_Bot w0.15: v2(12.807,30.455) 12.807,27.371 15.782,24.395 15.782,14.649 17.586,12.846 17.586,8.708 21.118,5.176 P105.1@21.118,4.129 ; v1(25.541,11.806) 26.497,11.887 27.596,10.788 28.668,10.788 29.308,10.148 v2(29.308,7.723)
UFL_ANT: C32.2 J2.1 L6.1 | length 5.7
  L1_Top w0.262: C32.2@44.535,17.005 44.493,17.046 L6.1@44.493,18.165 48.874,18.165 J2.1@48.899,18.274
USER_DI: "Jennic pinout.4" Q3.3 R1.2 R30.1 U6.23 | length 83.7
  L1_Top w0.15: U6.23@30.22,20.709 30.22,21.35 30.919,22.049 30.919,23.496 30.578,23.837 30.578,24.634
  L1_Top w0.152: 30.578,24.634 v2(30.578,25.736) 30.872,26.03 40.543,26.03 40.95,26.438 40.95,30.003 39.086,31.868 R1.2@39.086,33.509 v2(39.8,33.51) ; v2(52.333,5.759) v2(52.333,8.297)
  L1_Top w0.254: Q3.3@60.238,10.282 60.249,10.271 R30.1@61.345,10.271 v2(62.195,10.271)
  L4_Bot w0.152: v2(30.578,25.736) 31.681,26.839 35.147,26.839 35.604,26.382 51.564,26.382 54.071,23.874 54.071,10.035 v2(52.333,8.297) ; v2(52.333,5.759) 59.876,5.759 62.195,8.078 v2(62.195,10.271)
USER_DO: "Jennic pinout.15" Q1.1 U6.32 | length 59.5
  L1_Top w0.15: v2(17.923,28.626) 17.916,28.62 17.916,18.914 21.051,15.779 21.652,15.779 21.688,15.744 22.176,15.744 22.515,16.082 22.515,17.022 23.301,17.809 23.88,17.809 25.63,19.559 U6.32@26.07,19.559
  L1_Top w0.254: v2(47.733,25.62) 47.733,27.84 47.73,27.843 48.212,28.325 Q1.1@49.012,28.325
  L4_Bot w0.15: v2(17.923,28.626) 17.923,27.718 19.775,25.866 23.297,25.866 23.945,26.513 28.521,26.513 29.168,25.866 29.168,24.84 29.851,24.157 31.677,24.157 33.755,26.235 34.782,26.235 35.397,25.62 v2(47.733,25.62)
USER_OD_DO: C36.2 P2.2 pad.@71.115,18.011 Q1.3 | length 26.1
  L1_Top w0.508: Q1.3@51.012,27.375 51.012,25.684 52.733,23.963 C36.2@53.583,23.963 53.583,22.012 54.407,21.188 62.997,21.188 66.174,18.011 P2.2@68.66,18.011 pad.@71.115,18.011
USER_OG_DI: C40.2 P2.3 pad.@71.205,14.511 R32.2 | length 19.9
  L1_Top w0.508: R32.2@59.09,14.772 59.032,14.831 C40.2@59.032,18.43 62.034,18.43 65.953,14.511 pad.@71.205,14.511 P2.3@73.66,14.511
V3P3: C2.1 C5.1 C6.1 C7.1 C13.1 C34.1 C35.1 C37.1 D9.2 D12.2 J1.1 L1.2 L2.2 L7.1 P107.5 P107.6 R2.2 R8.2 R13.1 R16.2 R25.1 R26.1 R30.2 R36.2 R37.2 R38.2 R39.2 TP2.1 TP9.1 U4.1 U5.8 U5.9 U8.8 U12.3 U12.7 U14.8 U15.8 | length 49.2
  L1_Top w0.254: U12.3@22.975,48.255 22.975,46.44 C34.1@23.004,46.411 23.791,46.411 23.953,46.249 v2(23.953,45.425) ; U12.7@23.475,49.768 C35.1@23.475,51.518 ; R37.2@36.459,4.367 v4(36.459,4.943) ; R38.2@37.75,4.376 v4(37.75,4.952) ; v4(40.347,2.837) R16.2@40.347,3.413 ; v4(45.734,2.437) U15.8@45.734,3.013
  L1_Top w0.305: U8.8@11.32,49.09 v2(11.32,50.246) ; v2(47.79,35.488) R2.2@48.866,35.488
  L1_Top w0.381: U5.9@-1.959,38.137 -1.959,39.429 ; U5.8@-0.959,38.137 -0.959,39.211 -1.177,39.429 -1.959,39.429 ; v5(0.22,39.937) C6.1@0.22,40.91 -0.44,40.91 -0.533,41.003 C5.1@-1.786,41.003 -1.959,40.831 -1.959,39.429 ; v4(11.32,39.112) R13.1@11.32,39.936 ; v4(11.897,9.788) R8.2@11.897,10.542 11.897,10.993 12.362,11.459 U4.1@12.362,12.37 ; v4(12.59,39.112) R25.1@12.59,39.936 ; v4(13.86,39.112) R26.1@13.86,39.936 ; v4(16.148,44.908) C37.1@17.035,44.908 17.035,46.239 17.416,46.62 U14.8@18.448,46.62 ; v4(17.825,4.212) C7.1@17.825,4.969 17.825,6.256 18.277,6.708 L2.2@18.325,6.708 ; v4(18.61,49.767) R36.2@19.38,49.767 ; C35.1@23.475,51.518 v4(24.251,51.518) ; R39.2@25.18,51.083 v4(25.18,51.84) ; R37.2@36.459,4.367 37.741,4.367 R38.2@37.75,4.376 ; v2(61.345,8.683) R30.2@61.345,9.271
  L1_Top w0.508: L7.1@-2.471,22.174 -1.06,22.174 -0.12,23.114 0.813,23.114 D12.2@2.343,23.114 v6(2.343,24.645) ; TP2.1@35.721,47.049 40.967,47.049 L1.2@40.991,47.025 ; v2(44.43,40.061) 45.056,40.061 D9.2@45.065,40.052
  L4_Bot w0.508: v2(42.281,48.751) 42.814,48.751 43.881,47.684 TP9.1@44.357,47.684
  other v2: 39.233,48.751 40.249,48.751 41.265,48.751 39.233,49.767 40.249,49.767 41.265,49.767 42.281,49.767 39.233,50.783 40.249,50.783 41.265,50.783 42.281,50.783 40.249,51.799 41.265,51.799 42.281,51.799
V24P0: C1.1 C4.1 D1.1 P107.1 P107.2 R20.2 R29.2 TP8.1 U1.5 | length 13.8
  L1_Top w0.508: R20.2@57.199,32.742 57.199,38.741 57.972,39.513 57.972,43.613 57.803,43.782
  L4_Bot w0.508: v6(60.404,45.355) TP8.1@60.404,47.684
  other v6: 57.037,43.708 58.236,43.708 56.498,44.384 57.707,44.384 57.294,45.1 58.236,45.1 59.186,45.1
V24P0_IN: D1.2 P1.1 P1.2 pad.@66.924,39.246 pad.@75.396,42.746 TP1.1 | length 12.7
  L1_Top w1.27: TP1.1@60.448,38.345 60.404,38.389 D1.2@60.404,41.258 64.913,41.258 pad.@66.924,39.246 P1.2@68.66,37.511
VB_DIG: C15.2 U6.35 | length 2.9
  L1_Top w0.15: C15.2@24.021,16.288 24.021,16.551 25.529,18.059 U6.35@26.07,18.059
VB_RAM: C22.2 U6.25 | length 2.1
  L1_Top w0.15: U6.25@29.22,20.709 29.22,21.351 29.37,21.501 ; 29.371,21.501 29.789,21.919 C22.2@29.789,22.568
VB_RF: C23.2 C24.1 L3.1 U6.12 U6.14 | length 10
  L1_Top w0.15: U6.12@31.97,16.059 U6.12@31.87,16.059 31.527,16.059 31.242,16.343 31.242,16.749 31.552,17.059 31.87,17.059 U6.14@31.97,17.059 ; L3.1@34.889,16.015 L3.1@35.019,16.015
  L1_Top w0.25: U6.12@31.97,16.059 32.493,16.059 v1(32.704,15.848) 32.704,15.529 33.369,14.864 C23.2@34.113,14.864 34.113,15.24 34.307,15.434 34.598,15.434 34.889,15.724 L3.1@34.889,16.015 ; U6.14@31.97,17.059 32.577,17.059 v1(32.696,17.178)
  L1_Top w0.5: L3.1@35.019,16.015 35.939,16.015 36.11,15.845 C24.1@36.114,15.845
  L2_GND w0.305: v1@32.696,15.859 v1(32.696,17.178)
VB_SYNTH: C10.2 U6.6 | length 5.8
  L1_Top w0.15: U6.6@29.22,14.909 29.22,14.491 30.271,13.44 31.142,13.44 32.153,12.428 32.267,12.428 32.399,12.296 32.399,11.684 32.727,11.356 C10.2@32.909,11.356
VB_VCO: C14.2 U6.8 | length 4.3
  L1_Top w0.15: U6.8@30.22,14.909 30.22,14.328 30.8,13.747 31.292,13.747 32.296,12.743 32.71,12.743 33.049,12.404 C14.2@33.18,12.404
VDD: "Jennic pinout.17" C8.1 C16.1 C17.2 C18.2 C27.1 C28.1 C29.1 L2.1 R5.2 R19.2 U6.9 U6.30 U7.5 U9.5 U9.19 U9.22 U11.5 | length 39.6
  L1_Top w0.2: v1(38.912,18.614) 38.879,18.614 39.342,18.151 U9.5@39.708,18.151 ; U9.22@41.108,20.451 v1(41.108,21.189) 41.108,21.936 C28.1@41.124,21.952 ; U9.19@42.508,19.751 43.036,19.751 43.663,20.377 43.663,21.605 C29.1@43.52,21.902
  L1_Top w0.25: U6.9@30.72,14.909 30.72,14.46 30.86,14.271 31.018,14.114 31.601,14.114 v1@31.768,13.947 ; U11.5@40.113,13.738 40.697,14.322 v1(40.663,14.529) 42.322,14.529 43.13,13.722 U7.5@43.533,13.722 44.378,13.722 R5.2@44.634,13.566
  L1_Top w0.3: v1(25.273,20.737) 25.277,20.741 26.652,20.741 26.72,20.809 U6.30@26.72,20.709 ; v1@31.768,13.947 v1(31.876,13.947) 32.457,13.366 32.772,13.359 C17.2@32.902,13.359
  L1_Top w0.4: C28.1@41.124,21.952 42.339,21.952 42.439,21.852 C27.1@42.439,21.869
  L1_Top w0.5: R19.2@13.751,9.202 14.189,9.202 14.615,8.776 ; L2.1@18.325,8.653 18.325,10.923 20.607,13.204 21.688,13.204 22.659,13.204 22.934,12.929 v1@25.485,12.929 ; C18.2@24.225,20.51 24.225,20.641 24.325,20.741 25.269,20.741 v1(25.273,20.737) ; C16.1@24.429,12.925 24.78,12.929 v1@25.485,12.929 ; v1(25.591,13.035) v1@25.485,12.929 ; C27.1@42.439,21.869 43.462,21.869 43.518,21.925 43.518,21.969 C29.1@43.52,21.902
  L1_Top w0.508: 14.615,8.776 14.739,8.653 15.882,8.653 C8.1@15.895,8.639 ; C8.1@15.909,8.653 L2.1@18.325,8.653
  L3_PWR_GND w0.5: v1(38.912,18.614) 39.009,18.71 39.199,18.71 39.199,19.154 39.341,19.154 39.341,19.532 40.998,21.189 v1(41.108,21.189)
ZG_ANA_IO: D8.1 P2.1 pad.@71.205,21.511 R23.1 | length 19.4
  L1_Top w0.635: R23.1@56.659,27.353 56.659,27.347 D8.1@60.047,27.347 62.016,27.347 67.852,21.511 pad.@71.205,21.511 P2.1@73.66,21.511
pads on no net: "Jennic pinout.9" D3.2 D11.2 U2.1 U5.3 U5.6 U6.7 U8.7 U9.3 U9.4 U9.7 U9.8 U9.13 U9.17 U10.7 U12.11 U14.1 U14.2 U14.3 U14.7

## Polygon pours and split planes (outlines as drawn)
GND on L1_Top "GND_L01_P083" (solid, remove dead copper, pour order 83): 63.255,12.632 72.25,12.632 72.805,12.076 72.805,9.973 72.348,9.516 63.56,9.516 63.255,9.211 63.255,0 0,0 0,2.388 ccw(c-6.112,2.388) -6.112,8.5 -8.5,8.5 -8.5,53.6 63.255,53.6 63.255,32.427 69.783,32.427 69.783,26.178 64.169,26.178 63.255,25.264
V24P0 on L1_Top "V24P0_L01_P041" (solid, remove dead copper, pour order 41): 59.186,42.761 56.889,42.761 55.125,44.525 51.625,44.525 51.216,44.116 51.216,39.743 51.164,39.691 50.52,39.691 50.451,39.76 50.451,41.869 49.132,43.188 49.132,44.86 50.356,46.084 60.187,46.084 61.254,45.017 61.254,43.751 61.047,43.544 59.97,43.544
GND on L1_Top "GND_L01_P072" (solid, remove dead copper, pour order 72): 24.067,14.509 24.029,14.525 23.987,14.54 23.945,14.552 23.901,14.56 23.857,14.564 23.813,14.564 23.769,14.561 23.727,14.554 23.714,14.551 23.701,14.55 23.688,14.551 23.675,14.552 23.662,14.554 23.65,14.558 23.638,14.562 23.626,14.568 23.614,14.575 23.604,14.582 23.594,14.591 23.585,14.6 23.576,14.61 23.569,14.621 23.562,14.632 23.557,14.644 23.553,14.656 23.549,14.669 23.547,14.682 23.546,14.695 23.546,14.7 23.546,15.767 24.44,15.767 24.44,14.777 24.067,14.509
V3P3 on L1_Top "V3P3_L01_P035" (solid, remove dead copper, pour order 35): 44.293,53.407 44.293,45.734 44.039,45.48 38.052,45.48 37.767,45.765 37.767,49.771 41.402,53.406
NetC3_2 on L1_Top "NETC3_2_L01_P039" (solid, remove dead copper, pour order 39): 50.275,41.534 48.81,42.999 48.81,44.632 48.696,44.746 38.285,44.746 37.844,44.305 37.844,41.26 38.142,40.961 45.529,40.961 46.799,39.691 50.203,39.691 50.275,39.763
NetC3_1 on L1_Top "NETC3_1_L01_P043" (solid, remove dead copper, pour order 43): 50.266,39.183 46.198,39.183 45.563,38.548 44.052,38.548 43.925,38.421 43.925,36.964 44.203,36.686 50.012,36.686 50.266,36.94
NetC21_1 on L1_Top "NETC21_1_L01_P045" (solid, remove dead copper, pour order 45): 51.492,43.941 51.492,39.998 51.799,39.691 56.143,39.691 56.358,39.906 56.358,42.287 56.244,42.401 54.704,43.941
GND on L3_PWR_GND "GND_L03_P080" (solid, remove dead copper, pour order 80): 36.512,31.588 38.227,33.302 47.621,33.302 48.803,34.484 48.803,40.468 43.615,45.656 43.615,53.6 60.969,53.6 61.223,53.346 61.223,27.294 37.149,27.294 36.512,27.931
V3P3 on L3_PWR_GND "V3P3_L03_P079" (solid, remove dead copper, pour order 79): 43.011,45.301 48.166,40.147 48.166,34.798 47.3,33.933 37.714,33.933 35.623,31.842 35.623,27.586 36.586,26.623 61.845,26.623 61.845,3.663 60.695,2.513 8.073,2.513 7.045,3.54 7.045,16.14 11.129,16.14 12.666,17.677 12.666,27.264 10.456,29.474 5.378,29.474 4.759,28.854 4.759,22.094 0.693,22.094 0.435,22.352 0.435,38.413 -8.5,38.413 -8.5,53.6 -8.49,53.61 43.011,53.61
GND on L3_PWR_GND "GND_L03_P078" (solid, remove dead copper, pour order 78): 21.688,24.634 21.688,8.634 51.688,8.634 51.688,24.634
GND on L3_PWR_GND "GND_L03_P077" (solid, remove dead copper, pour order 77): -8.5,29.955 -0.067,29.955 -0.067,21.978 0.32,21.591 4.759,21.591 4.759,2.388 6.341,0.806 6.341,0.601 -3.852,0.601 -8.5,5.249
DALI_P on L3_PWR_GND "DALI_P_L03_P076" (solid, remove dead copper, pour order 76): 10.185,28.947 12.093,27.039 12.093,17.931 10.855,16.692 5.944,16.692 5.174,17.462 5.174,28.486 5.635,28.947
VDD on L3_PWR_GND "VDD_L03_P058" (solid, remove dead copper, pour order 58): 529 vertices, not listed, extent 24.638,12.242 41,21.039
GND on L2_GND "GND_L02_P082" (solid, remove dead copper, pour order 82): 63.839,12.632 72.25,12.632 72.805,12.076 72.805,9.973 72.348,9.516 64.144,9.516 63.839,9.211 63.839,0 0,0 0,2.388 ccw(c-6.112,2.388) -6.112,8.5 -8.5,8.5 -8.5,53.6 63.839,53.6 63.839,32.478 69.783,32.478 69.783,26.153 64.29,26.153 63.839,25.702
no net on L2_GND "NONET_L02_P081" (solid, pour order 81): 21.688,24.634 21.688,8.634 51.688,8.634 51.688,24.634
GND on L2_GND "GND_L02_P060" (solid, remove dead copper, pour order 60): 21.688,24.634 21.688,8.634 51.688,8.634 51.688,24.634
V24P0_IN on L4_Bot "NONET_L-01_P-001" (solid, pour order 85): 65.92,44.184 75.942,44.184 77.002,43.124 77.002,42.13 74.055,39.183 71.664,39.183 69.153,36.672 66.025,36.672 65.397,37.3 65.397,43.661
V24P0 on L4_Bot "V24P0_L04_P075" (solid, remove dead copper, pour order 75): 62.997,33.611 62.997,45.279 62.572,45.703 57.294,45.703 56.121,44.53 56.121,35.682 51.808,31.369 42.138,31.369 41.124,30.355 41.124,26.898 56.284,26.898
GND on L4_Bot "GND_L04_P084" (solid, remove dead copper, pour order 84): 63.839,12.632 72.25,12.632 72.805,12.076 72.805,9.973 72.348,9.516 64.144,9.516 63.839,9.211 63.839,0 0,0 0,2.388 ccw(c-6.112,2.388) -6.112,8.5 -8.5,8.5 -8.5,53.6 63.839,53.6 63.839,32.427 69.732,32.427 69.783,32.478 69.783,26.153 64.58,26.153 63.839,25.387

## Keep-outs
L1_Top:
  lines w0.254: -8.5,8.5 -5.984,8.5 cw(c-5.96,2.54) 0,2.563 0,0 80.1,0 80.1,45.1 77.584,45.1 cw(c77.56,51.06) 71.6,51.037 71.6,53.6 -8.5,53.6 -8.5,8.5
L3_PWR_GND:
  lines w0.254: -8.5,8.5 -8.5,53.6 71.6,53.6 71.6,51.037 ccw(c77.56,51.06) 77.584,45.1 80.1,45.1 80.1,0 0,0 0,2.563 ccw(c-5.96,2.54) -5.984,8.5 -8.5,8.5
L2_GND:
  lines w0.254: -8.5,8.5 -5.984,8.5 cw(c-5.96,2.54) 0,2.563 0,0 80.1,0 80.1,45.1 77.584,45.1 cw(c77.56,51.06) 71.6,51.037 71.6,53.6 -8.5,53.6 -8.5,8.5
L4_Bot:
  lines w0.254: -8.5,8.5 -5.984,8.5 cw(c-5.96,2.54) 0,2.563 0,0 80.1,0 80.1,45.1 77.584,45.1 cw(c77.56,51.06) 71.6,51.037 71.6,53.6 -8.5,53.6 -8.5,8.5

## Other copper
L1_Top:
  pour cut-out: -1.024,41.791 -1.024,41.655 -2.548,41.655 -2.548,41.791
  pour cut-out: 17.558,7.555 17.558,7.823 19.085,7.823 19.085,7.555
  pour cut-out: 15.133,7.851 15.133,7.989 16.66,7.989 16.66,7.851
  pour cut-out: -8.167,37.155 -8.167,29.955 -7.988,29.955 -7.988,37.155
  pour cut-out: 62.007,46.34 62.007,34.736 60.655,33.384 44.763,33.384 43.813,34.334 43.813,40.481 43.417,40.877 38.231,40.877 37.829,41.279 37.829,49.821 41.543,53.534 55.736,53.534 56.498,52.772 56.498,46.34 63.255,46.34 63.255,47.453 57.641,47.453 57.641,53.675 56.821,54.495 41.723,54.495 37.244,50.016 37.244,40.581 37.88,39.945 42.71,39.945 42.863,39.792 42.863,33.549 44.172,32.241 61.022,32.241 63.255,34.474 63.255,46.34
  pour cut-out: -7.991,37.143 -7.979,37.155 -2.019,37.155 -2.019,29.955 -7.988,29.955
L3_PWR_GND:
  pour cut-out: 25.739,24.807 51.855,24.807 51.855,8.472 21.515,8.472 21.515,24.79 25.733,24.79 25.733,25.107 21.264,25.107 21.264,8.297 52.017,8.297 52.017,25.107 25.74,25.107
L2_GND:
  pour cut-out: -8.5,29.955 -2.019,29.955 -2.019,37.143 -8.5,37.143
L4_Bot:
  pour cut-out: -8.5,29.955 -2.019,29.955 -2.019,37.143 -8.5,37.143

## Silkscreen, mask and mechanical layers (free items; w line width, h text height)
Top_SS:
  drawing of 12 lines, arcs and shapes, not listed
Bot_SS:
  drawing of 34 lines, arcs and shapes, not listed
  text "WiCL" at 12.058,37.761 h2.03
  text "Rev1.0" at 12.058,36.339 h2.03
Dimensions:
  circle w0.254: c-5,12 r1.6
  circle w0.254: c-5,50.1 r1.6
  circle w0.254: c68.1,50.1 r1.6
  circle w0.254: c-5,12 r1.6
  circle w0.254: c-5,50.1 r1.6
  circle w0.254: c-5,12 r1.6
  circle w0.254: c68.1,50.1 r1.6
  circle w0.254: c-5,50.1 r1.6
ENCLOSURE:
  lines w0.013: -8.5,8.5 -8.5,8.1 -8.9,8.1 ; -8.5,53.6 -8.9,53.6 ; -0.4,-0.8 -0.4,0 ; 0,0 0,-0.4 -0.4,-0.4 ; 53.5,43.1 80.5,43.1 80.5,33.6 75.5,33.6 75.5,32.6 80.5,32.6 80.5,22.55 75.5,22.55 75.5,21.6 80.5,21.6 80.5,12.1 75.5,12.1 75.5,11.1 80.5,11.1 80.5,-0.4 78.5,-0.4 78.5,1.6 77.5,1.6 77.5,-0.4 66.5,-0.4 66.5,1.6 65.5,1.6 65.5,-0.4 51.8,-0.4 51.8,1.1 50.8,1.1 50.8,-0.4 10.8,-0.4 10.8,1.1 9.8,1.1 9.8,-0.4 -0.4,-0.4 ; 53.5,44.1 80.5,44.1 80.5,45.5 ; 54.719,46.123 54.719,47.123 ; 71.6,53.6 71.6,54 72,54 ; 80.1,45.1 80.1,45.5 80.5,45.5 ; -8.9,8.1 -6.2,8.1 ; -8.9,8.1 -8.9,26.3 -7.4,26.3 -7.4,27.3 -8.9,27.3 -8.9,54 ; -8.9,8.1 -6.2,8.1 ; -8.9,8.1 -8.9,28.5 -8.9,29.5 -8.9,53.6 ; -8.9,53.6 -8.9,54 ; -8.9,53.6 9.8,53.6 10.8,53.6 50.8,53.6 51.8,53.6 62.5,53.6 62.5,0 51.8,0 51.8,-0.139 50.8,-0.139 50.8,0 10.8,0 9.8,0 -0.4,0 ; -8.9,54 9.8,54 9.8,52.5 10.8,52.5 10.8,54 50.8,54 50.8,52.5 51.8,52.5 51.8,54 72,54 ; -6.2,8.1 cw(c-6.2,2.3) -0.4,2.3 ; -6.2,8.1 cw(c-6.2,2.3) -0.4,2.3 ; -0.4,-0.4 -0.4,2.3 ; -0.4,0 -0.4,2.3 ; 72,51.3 ccw(c77.8,51.3) 77.8,45.5 80.5,45.5 ; 72,51.3 ccw(c77.8,51.3) 73.8,47.1 63.3,47.1 63.3,53.6 72,53.6 72,51.3 ; 72,51.3 72,54 ; -9.3,7.7 -6.2,7.7 cw(c-6.2,2.3) -0.8,2.3 -0.8,-0.8 81.3,-0.8 81.3,-0.2 63.3,-0.2 63.3,45.3 81.3,45.3 81.3,45.9 77.8,45.9 cw(c77.8,51.3) 72.4,51.3 72.4,54.4 -9.3,54.4 -9.3,7.7 ; 64.3,24.3 81.3,24.3 81.3,26.8 64.3,26.8 64.3,26 79.7,26 79.7,25.1 64.3,25.1 64.3,24.3
Board Outline:
  the board outline again, w0.254
Asm Top:
  circle w0.254: c49.658,12.261 r0.025
  rectangle: 53.244,10.053 57.184,10.735
  region: 62.035,26.909 58.095,26.909 58.095,26.227 62.035,26.227
  lines w0.2: 50.464,36.092 51.864,36.092 ; 52.456,29.501 53.856,29.501 ; 53.024,25.204 57.235,25.204 ; 55.456,19.654 59.667,19.654 ; 7.826,26.23 12.426,26.23 12.426,28.83 7.826,28.83 7.826,26.23
  lines w0.203: 50.464,36.092 50.464,33.338 51.864,33.338 51.864,36.092 ; 52.456,29.501 52.456,26.747 53.856,26.747 53.856,29.501 ; 53.024,25.204 53.024,22.713 57.235,22.713 57.235,25.204 ; 55.456,19.654 55.456,17.162 59.667,17.162 59.667,19.654
  lines w0.254: 46.576,2.356 48.752,2.356 48.752,5.588 46.576,5.588 46.576,2.356 ; 53.282,6.826 53.282,11.246 57.184,11.246 57.184,6.826 53.282,6.826 ; 53.532,13.469 59.667,13.469 59.667,16.059 53.532,16.059 53.532,13.469 ; 57.972,5.536 60.9,5.536 60.9,7.817 57.972,7.817 57.972,5.536 ; 58.095,23.074 58.095,27.684 62.035,27.684 62.035,23.074 58.095,23.074
  text "C36" at 54.249,23.536 h0.64
  text "C40" at 56.681,17.986 h0.64
  text "R32" at 55.603,14.401 h0.64
  text "D13" at 54.293,8.761 h0.64
  text "D11" at 58.638,6.345 h0.64
  text "U15" at 46.897,3.801 h0.64

## Dimensions
-5,50.1 to -8.5,53.6 on Dimensions
-5,50.1 to -8.5,53.6 on Dimensions
68.1,50.1 to 73.889,53.873 on Dimensions
77.712,51.212 to 77.597,51.283 on Dimensions
0,0 to -8.5,53.6 on Dimensions
-8.5,8.5 to -8.5,53.6 on Dimensions
0,0 to -8.5,8.5 on Dimensions
-8.5,8.5 to 80.1,0 on Dimensions
-8.5,8.5 to 0,0 on Dimensions
0,0 to 80.1,0 on Dimensions

## Text inside footprints (layer, text, board x,y; h text height)
C10: Mechanical 22 "2" at 33.061,11.508 h0.38 r180; Mechanical 22 "1" at 33.9,11.508 h0.38 r180
C14: Mechanical 22 "2" at 33.332,12.557 h0.38 r180; Mechanical 22 "1" at 34.171,12.557 h0.38 r180
C15: Mechanical 22 "2" at 24.174,16.136 h0.38 r90; Mechanical 22 "1" at 24.174,15.298 h0.38 r90
C16: Mechanical 22 "1" at 24.175,13.103 h0.64 r270; Mechanical 22 "2" at 24.175,11.579 h0.64 r270
C17: Mechanical 22 "2" at 33.055,13.511 h0.38 r180; Mechanical 22 "1" at 33.893,13.511 h0.38 r180
C18: Mechanical 22 "2" at 24.377,20.358 h0.38 r90; Mechanical 22 "1" at 24.377,19.519 h0.38 r90
C22: Mechanical 22 "2" at 29.637,22.416 h0.38; Mechanical 22 "1" at 28.798,22.416 h0.38
C23: Mechanical 22 "2" at 34.266,15.016 h0.38 r180; Mechanical 22 "1" at 35.104,15.016 h0.38 r180
C24: Mechanical 22 "2" at 35.962,15.159 h0.38 r270; Mechanical 22 "1" at 35.962,15.997 h0.38 r270
C25: Mechanical 22 "2" at 33.451,17.204 h0.38 r270; Mechanical 22 "1" at 33.451,18.043 h0.38 r270
C26: Mechanical 22 "2" at 35.512,18.265 h0.38 r270; Mechanical 22 "1" at 35.512,19.103 h0.38 r270
C27: Mechanical 22 "2" at 42.592,22.555 h0.38 r90; Mechanical 22 "1" at 42.592,21.716 h0.38 r90
C28: Mechanical 22 "2" at 41.277,22.638 h0.38 r90; Mechanical 22 "1" at 41.277,21.8 h0.38 r90
C29: Mechanical 22 "2" at 43.673,22.588 h0.38 r90; Mechanical 22 "1" at 43.673,21.75 h0.38 r90
C30: Mechanical 22 "2" at 38.342,17.702 h0.38; Mechanical 22 "1" at 37.504,17.702 h0.38
C31: Mechanical 22 "2" at 43.631,16.848 h0.38 r90; Mechanical 22 "1" at 43.631,16.01 h0.38 r90
C32: Mechanical 22 "2" at 44.687,16.852 h0.38 r90; Mechanical 22 "1" at 44.687,16.014 h0.38 r90
C33: Mechanical 22 "2" at 26.852,11.633 h0.38 r90; Mechanical 22 "1" at 26.852,10.795 h0.38 r90
C38: Mechanical 22 "2" at 31.66,10.915 h0.38 r270; Mechanical 22 "1" at 31.66,11.754 h0.38 r270
L3: Mechanical 22 "2" at 34.203,16.168 h0.38 r180; Mechanical 22 "1" at 35.041,16.168 h0.38 r180
L4: Mechanical 22 "2" at 34.823,18.799 h0.38 r90; Mechanical 22 "1" at 34.823,17.96 h0.38 r90
L5: Mechanical 22 "2" at 38.585,16.134 h0.38 r270; Mechanical 22 "1" at 38.585,16.973 h0.38 r270
L6: Mechanical 22 "2" at 43.807,18.317 h0.38 r180; Mechanical 22 "1" at 44.645,18.317 h0.38 r180
R4: Mechanical 22 "2" at 35.549,13.183 h0.38 r90; Mechanical 22 "1" at 35.549,12.344 h0.38 r90
R5: Mechanical 22 "2" at 44.786,13.414 h0.38 r90; Mechanical 22 "1" at 44.786,12.575 h0.38 r90
R6: Mechanical 22 "2" at 38.609,20.286 h0.38 r270; Mechanical 22 "1" at 38.609,21.124 h0.38 r270
R12: Mechanical 22 "2" at 37.721,19.381 h0.38 r270; Mechanical 22 "1" at 37.721,20.22 h0.38 r270
U6: Mechanical 22 "5" at 28.644,15.23 h0.2 r90; Mechanical 22 "4" at 28.144,15.23 h0.2 r90; Mechanical 22 "39" at 25.692,16.148 h0.2 r180; Mechanical 22 "41" at 27.625,16.989 h0.2 r90; Mechanical 22 "44" at 27.6,19.114 h0.2 r90; Mechanical 22 "43" at 29.8,19.114 h0.2 r90; Mechanical 22 "42" at 29.825,16.989 h0.2 r90; Mechanical 22 "21" at 30.979,20.766 h0.2 r90; Mechanical 22 "30" at 26.479,20.766 h0.2 r90; Mechanical 22 "9" at 30.644,15.23 h0.2 r90; Mechanical 22 "17" at 31.176,18.648 h0.2 r180; Mechanical 22 "15" at 31.176,17.648 h0.2 r180; Mechanical 22 "20" at 31.176,20.148 h0.2 r180; Mechanical 22 "23" at 29.979,20.766 h0.2 r90; Mechanical 22 "24" at 29.479,20.766 h0.2 r90; Mechanical 22 "16" at 31.176,18.148 h0.2 r180; Mechanical 22 "18" at 31.176,19.148 h0.2 r180; Mechanical 22 "19" at 31.176,19.648 h0.2 r180; Mechanical 22 "26" at 28.479,20.766 h0.2 r90; Mechanical 22 "11" at 31.176,15.648 h0.2 r180; Mechanical 22 "28" at 27.479,20.766 h0.2 r90; Mechanical 22 "29" at 26.979,20.766 h0.2 r90; Mechanical 22 "31" at 25.692,20.148 h0.2 r180; Mechanical 22 "32" at 25.692,19.648 h0.2 r180; Mechanical 22 "33" at 25.692,19.148 h0.2 r180; Mechanical 22 "34" at 25.692,18.648 h0.2 r180; Mechanical 22 "36" at 25.692,17.648 h0.2 r180; Mechanical 22 "37" at 25.692,17.148 h0.2 r180; Mechanical 22 "22" at 30.479,20.766 h0.2 r90; Mechanical 22 "38" at 25.692,16.648 h0.2 r180; Mechanical 22 "40" at 25.692,15.648 h0.2 r180; Mechanical 22 "1" at 26.644,15.23 h0.2 r90; Mechanical 22 "2" at 27.144,15.23 h0.2 r90; Mechanical 22 "27" at 27.979,20.766 h0.2 r90; Mechanical 22 "10" at 30.984,15.23 h0.2 r90; Mechanical 22 "6" at 29.144,15.23 h0.2 r90; Mechanical 22 "8" at 30.144,15.23 h0.2 r90; Mechanical 22 "35" at 25.692,18.148 h0.2 r180; Mechanical 22 "25" at 28.979,20.766 h0.2 r90; Mechanical 22 "3" at 27.644,15.23 h0.2 r90; Mechanical 22 "14" at 31.176,17.148 h0.2 r180; Mechanical 22 "12" at 31.176,16.148 h0.2 r180; Mechanical 22 "13" at 31.176,16.648 h0.2 r180; Mechanical 22 "7" at 29.644,15.23 h0.2 r90; Mechanical 24 "IC1" at 25.44,14.638 h0.4 r270